# Allegro board balenaFin-PCB.brd (continued)
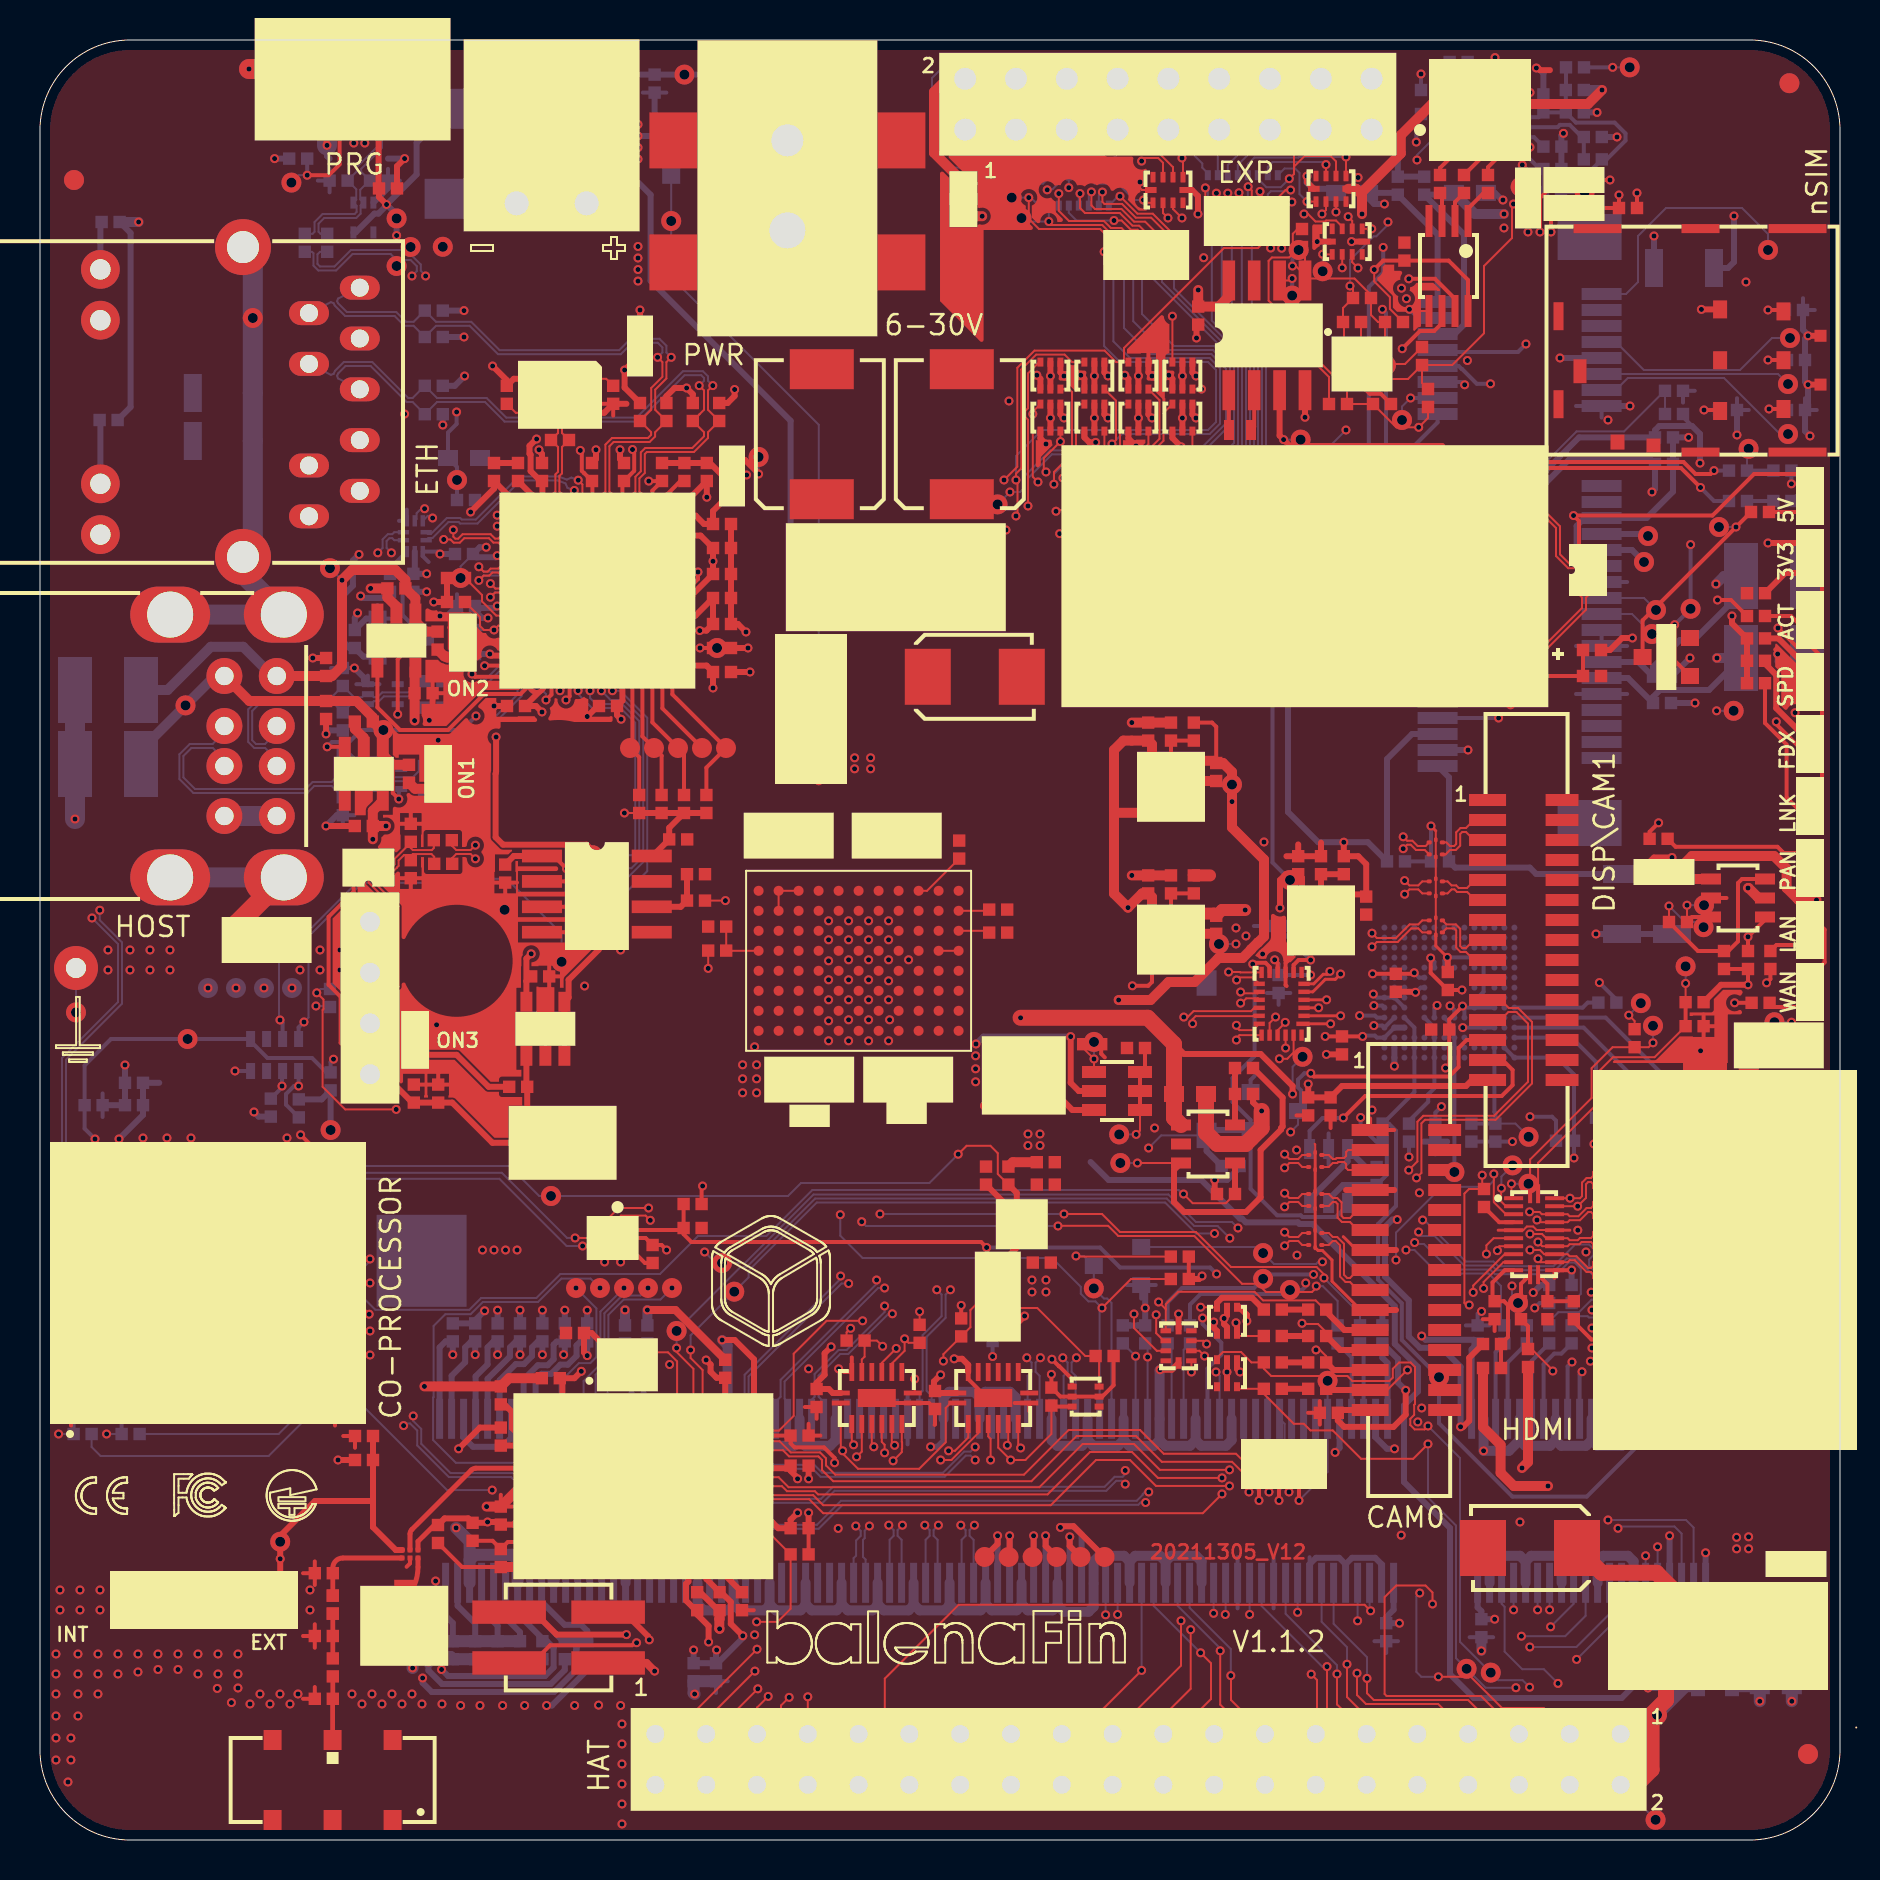
[diagram p0: board, top side]
## Routing (per net, layer and track width the routed paths; a pad name or vN(x,y) marks a point on that pad's centre or on a via; arc(x,y) is an arc through that point) (continued)
N17304746: length 2.6
  TOP w0.2: LD17.1 87.55,61.2 R31.2
N17324040: length 1.4
  TOP w0.1: RR3.9 62.39,81.7 v1(62.59,81.9)
  BOTTOM w0.1: RR2.1 62.43,81.74 v1(62.59,81.9)
N17354151: length 5.7
  TOP w0.2: v1(13.36,83.24) 14.44,83.24 14.98,83.78 J13.4
  BOTTOM w0.1: v2(12.57,82.87) 12.94,83.24 v1(13.36,83.24)
  BOTTOM w0.2: R153.2 v1(13.36,83.24)
N18385522: length 7
  TOP w0.5: J14.2 45.36,88.06 44.7,87.4 44.7,84.36 F2.1
N18386630: length 4.8
  TOP w0.1: RR13.9 57.06,80.21 56.87,80.4 56.56,80.4 55.64,81.31 54.87,81.31 v1(54,82.19)
  BOTTOM w0.1: v1(54,82.19) 53.91,82.19 RR14.1
N18386633: length 5.5
  TOP w0.1: v1(53.12,82.4) 53.12,81.9 53.22,81.8 54.1,81.8 54.79,81.12 55.56,81.12 56.56,80.11 RR13.10
  BOTTOM w0.1: v1(53.12,82.4) 52.94,82.22 RR14.2
N18386636: length 5.7
  TOP w0.1: v1(52.57,82.41) 52.57,81.73 52.75,81.55 54.07,81.55 54.71,80.91 55.26,80.91 56.06,80.11 RR13.11
  BOTTOM w0.1: v1(52.57,82.41) 52.44,82.27 RR14.3
N18386651: length 5.6
  TOP w0.1: RR13.12 55.56,80.11 54.96,80.72 54.62,80.72 53.99,81.35 52.25,81.35 52,81.6 v1(52,82.32)
  BOTTOM w0.1: RR14.4 51.94,82.26 v1(52,82.32)
N18386810: length 4.7
  TOP w0.1: RR13.13 55.06,80.33 54.87,80.52 54.54,80.52 54.08,80.97 v1(53.7,80.97)
  BOTTOM w0.1: RR14.5 51.44,81.36 51.83,80.97 v1(53.7,80.97)
N18386815: length 5.8
  TOP w0.1: v1(50.94,82.32) 50.94,81.46 51.45,80.95 53.19,80.95 53.54,80.6 54.07,80.6 54.56,80.11 RR13.14
  BOTTOM w0.1: RR14.6 v1(50.94,82.32)
N18386822: length 6.5
  TOP w0.1: RR13.15 54.06,80.3 53.96,80.4 53.46,80.4 53.11,80.75 50.54,80.75 50.44,80.85 v1(50.44,80.93)
  BOTTOM w0.1: v2(49.08,81.09) 49.25,80.93 v1(50.44,80.93) RR14.7
N18386825: length 7.1
  TOP w0.1: v1(49.44,82.12) 49.44,81.06 49.95,80.55 53,80.55 53.45,80.1 53.46,80.1 RR13.16
  BOTTOM w0.1: RR14.8 49.54,82.12 v1(49.44,82.12) v2(48.59,82.12)
N18400731: length 1.7
  TOP w0.3: C152.1 48.34,31.73 U20.4
N18401161: length 1.8
  TOP w0.3: R182.1 48.84,29.62 U20.6
N18405003: length 3.9
  BOTTOM w0.2: R1.2 80.22,9.14 R183.2 80.5,10.36 R3.2
  BOTTOM w0.3: R184.2 R183.2
N18406483: length 22.5
  TOP w0.2: 87.17,73.99 87.17,74 v1(86.4,74) ; R187.2 74.4,83.47 v1(74.12,83.75)
  INT2 w0.2: v1(74.12,83.75) 79.05,83.75 81.4,81.4 81.4,75.4 82.8,74 v1(86.4,74)
  BOTTOM w0.2: C154.1 v1(86.4,74)
N18406582: length 16.2
  TOP w0.2: v1(83.2,71.5) 83.95,71.5 J22.7 ; R185.2 R188.1 v1(78.95,82.25)
  INT2 w0.2: v1(83.2,71.5) 78.95,75.75 v1(78.95,82.25)
  BOTTOM w0.2: C156.1 v1(83.2,71.5)
N18406685: length 27.1
  BOTTOM w0.2: v2(62.5,48) 61.62,48.88 61.62,62.62 69.88,70.88 J19.16
N18408710: length 19.3
  TOP w0.2: 87.17,71.55 v1(86.45,71.55) ; R186.2 v1(78.5,83)
  INT2 w0.2: v1(86.45,71.55) 86.08,71.93 83.48,71.93 79.4,76 79.4,82.7 79.1,83 v1(78.5,83)
  BOTTOM w0.2: C155.1 87.3,71.55 v1(86.45,71.55)
N18424363: length 12.5
  INT3 w0.3: 15.99,75.08 19.55,75.08 20.4,74.23 20.4,72.63 20.83,72.2 v1(20.83,71.4)
  BOTTOM w0.2: R200.1 v2(20.85,68) 20.85,68.65 C135.1 20.4,70.37 20.83,70.8 v1(20.83,71.4)
N18431035: length 1.5
  TOP w0.3: R201.1 24.62,67.23 U22.63
N18432576: length 1.7
  TOP w0.2: U22.50 31.12,67.05 32.02,67.95 R202.1
N18433009: length 7
  TOP w0.2: R203.1 v1(33,59.6) ; U22.41 32.58,62.72 32.9,63.05 v1(32.9,63.4)
  INT1 w0.2: v1(33,59.6) 33.5,60.1 33.5,62.8 v1(32.9,63.4)
  BOTTOM w0.1: v2(33.85,59.6) v1(33,59.6)
N18435074: length 7.7
  TOP w0.1: C148.1 23.79,71.36 Y2.3 25.78,71.36 25.9,71.24 25.9,70.35 R204.2 25.9,69.65 25.9,68.41 25.77,68.28 25.77,67.42 25.62,67.27 U22.61
N18435086: length 8.9
  TOP w0.1: C147.1 28.31,73.06 Y2.1 26.98,73.06 26.1,72.18 26.1,70.35 R204.1 26.1,69.65 26.1,68.33 25.97,68.2 25.97,67.42 26.12,67.27 U22.60
N18439563: length 80.7
  TOP w0.2: v1(86.81,55.91) 86.81,55.78 88.5,54.1 LD14.1 ; U22.20 25.57,58.12 25.57,57.27 v1(25.3,57)
  INT1 w0.1: v1(25.3,57) 25.3,57.29 26.05,58.05 30.45,58.05 33.52,54.98 44.11,54.98 48.61,59.48 65.02,59.48 69.37,63.83 85.44,63.83 88.21,61.06 88.21,56.29 87.84,55.91 v1(86.81,55.91)
  BOTTOM w0.1: v2(24.84,57.76) 25.3,57.3 v1(25.3,57)
N18440280: length 4.2
  TOP w0.1: U22.12 22.92,60.72 v1(22.7,60.5) 22.2,60.5 22,60.7 22,61.15 R205.1
  BOTTOM w0.1: C187.2 v1(22.7,60.5)
N18441109: length 3.2
  TOP w0.3: R171.2 R169.1 32.04,46.66 U19.6
N18444316: length 7.4
  TOP w0.2: U22.32 31.62,57.28 TP69.1 33.32,53.62 R206.1
N18444319: length 4.4
  TOP w0.2: TP68.1 31.12,56.58 U22.31
N18444322: length 6.6
  TOP w0.2: R207.1 32.2,54.3 TP67.1 30.62,55.88 U22.30
N18444325: length 6.3
  TOP w0.2: U22.29 30.12,55.18 TP66.1 31.08,54.22 R208.1
N18444328: length 6.2
  TOP w0.2: U22.28 29.62,54.72 TP65.1 29.96,54.14 R209.1
N18447675: length 1.6
  TOP w0.5: R210.1 18.75,52.56 LD15.2
N18448098: length 1.4
  TOP w0.5: LD16.2 20.38,59.12 20.32,59.18 20.22,59.18 R211.1
N18449262: length 3.3
  TOP w0.1: U22.11 22.81,61.22 22.1,61.93 22.1,62.25 R212.1
N18457379: length 2
  TOP w0.2: Y4.2 59.44,70.51 U23.1
N18457384: length 2.1
  TOP w0.2: U23.2 60.71,70.66 Y4.1
N18469944: length 24.1
  TOP w0.3: BAT1.1 73.77,62.67 72.33,61.23 71.17,61.23 70.89,61.5 70.89,68.91 70.1,69.7 62.5,69.7 v1(62.18,70.02) 61.98,70.22 U23.3
  BOTTOM w0.1: v1(62.18,70.02) v2(63.03,70.02)
N18472937: length 2.1
  TOP w0.3: C199.2 34.22,13.27 MOD1.B9
N18475436: length 5.7
  TOP w0.3: 24.1,20.1 23.72,19.72 R219.2 ; 24.1,20.1 25.51,20.1 MOD1.L3 ; 24.1,20.1 23.6,20.6 23.6,21.4 23.22,21.78 R222.2
N18475447: length 4.9
  TOP w0.2: R220.2 22.63,14.96 R221.2 23.39,14.9 25.33,14.9 25.35,14.88 26,14.88 MOD1.L8
N18488781: length 5.1
  TOP w0.24: R224.1 L10.2
  TOP w0.25: U26.1 15.14,14.1 arc(14.79,13.95) 14.64,13.6 L10.2
N18498215: length 13
  BOTTOM w0.2: R235.1 76.29,86.38 76.8,85.87 78.73,85.87 79.28,85.33 79.28,84.97 78.33,84.03 R230.2 78.09,84.03 77.23,83.17 v2(77.23,82.4) R234.2 ; R235.1 C204.1 74.93,86.14 U25.14 ; R235.1 R236.1 76.3,87.51 R233.2
N18498233: length 4.4
  BOTTOM w0.2: R230.1 R229.2 77.09,85.15 76.49,85.76 76,85.76 75.88,85.64 U25.15
N18502868: length 10.5
  INT1 w0.2: v1(74.5,84.64) 74.5,85.7 77.43,88.63 v1(78.63,88.63)
  BOTTOM w0.1: v1(78.63,88.63) v2(79.48,88.63)
  BOTTOM w0.2: R233.1 v1(78.63,88.63) ; R231.2 74.7,85.14 U25.16 74.5,84.8 v1(74.5,84.64)
N18502871: length 4.5
  BOTTOM w0.1: R234.1 74.29,82.4 v2(74.03,82.66)
  BOTTOM w0.2: U25.1 74.15,84.39 74.99,83.55 R232.2 75.17,82.42 R234.1
N18639689: length 11.6
  TOP w0.1: R269.1 v1(81.45,46.7)
  TOP w0.2: R269.1 81.45,45.9 82.9,44.45 R271.1 84.42,44.45 84.9,44.93 84.9,47.85 85.1,48.05 Q16.3
  BOTTOM w0.1: v2(83.18,45.64) 82.92,45.9 82.25,45.9 v1(81.45,46.7)
N18639693: length 3
  TOP w0.1: R269.2 v1(82.35,46.74)
  TOP w0.2: Q16.6 82.6,46.15 R269.2
  BOTTOM w0.1: v1(82.35,46.74) v2(83.2,46.74)
N18652550: length 15.9
  TOP w0.3: 16.65,16.95 16.65,15.64 17.79,14.5 U26.6 ; 16.65,16.95 13.75,16.95 12.01,15.21 v1(12.01,14.06) DSW1.2 ; 16.65,16.95 R240.1 R275.2
  BOTTOM w0.2: v1(12.01,14.06) v2(12.01,14.91)
N18655098: length 9.6
  TOP w0.1: R260.2 52.16,39.59 v1(52.7,39.05) Q15.4 ; v1(47.23,36.71) 47.66,37.15 47.66,37.26
  INT1 w0.1: v1(52.7,39.05) 50.36,36.71 v1(47.23,36.71)
  BOTTOM w0.1: v1(52.7,39.05) v2(52.7,39.9)
N18655160: length 5.4
  TOP w0.1: Q15.1 55,35.47 v1(54.81,35.28)
  TOP w0.2: Q15.1 Q15.2 Q15.3 55.25,38.65 R262.2
  BOTTOM w0.1: v1(54.81,35.28) v2(53.96,35.28)
N18656712: length 2.9
  TOP w0.3: R270.1 R272.1 Q17.3
N18656716: length 17.5
  TOP w0.1: Q17.6 v1(54.87,33.85)
  TOP w0.3: R270.2 62.13,37.12 62.13,35.67 62.06,35.6 62.06,35.53 61.03,34.5 61.03,32.13 60.3,31.4 57.2,31.4 56.7,31.9 56.7,33.5 Q17.6
  BOTTOM w0.1: v1(54.87,33.85) v2(54.02,33.85)
N18660257: length 10.3
  TOP w0.2: Q13.3 80.13,60.98 v1(84.8,65.65) R66.1
  BOTTOM w0.1: v1(84.8,65.65) v2(83.95,65.65)
N18668852: length 40.8
  INT1 w0.2: v1(68.39,66.5) 67.75,66.5 66.65,67.6 65.25,67.6 v1(64.86,67.99)
  INT2 w0.1: v1(68.81,84.9) 68.61,84.9 68.26,84.55 68.26,81.1 67.16,80 v1(67.16,79.63)
  BOTTOM w0.1: R246.1 R247.2 81.23,72.46 79.2,70.43 76.83,70.43 72.9,66.5 J19.20
  BOTTOM w0.2: v1(68.39,66.5) J19.20 ; v1(67.16,79.63) 67.16,78.37 66.44,77.65 v2(66.44,74.58) 66.44,69.57 v1(64.86,67.99) ; v1(68.81,84.9) 68.81,86.06 R249.1
N18784708: length 4.6
  TOP w0.1: MOD1.E1 31.85,21.62 31.85,23.93 31.4,24.39 Y5.3
N19330929: length 4.2
  BOTTOM w0.2: J2.34 73.38,23.87 R11.1
N19330932: length 4
  BOTTOM w0.2: J2.36 72.78,24.39 R12.1
N19357608: length 2.2
  TOP w0.2: 71.1,85.03 71.1,84.7 70,83.6 R123.1
N19378336: length 69.1
  TOP w0.1: v1(13.84,42.36) 14.18,42.02 14.18,41.54 14.13,41.5 14.13,37.66 15.26,36.53 v1(17.81,36.53)
  INT1 w0.1: v1(33.23,29.4) 30.59,32.04 24,32.04 23.23,32.81 19.43,32.81 17.81,34.43 v1(17.81,36.53) ; v1(58.8,23.4) 60.72,25.32 60.72,26.98 59.9,27.8 v1(59.9,30.6)
  BOTTOM w0.1: J2.70 58.98,23.22 v1(58.8,23.4) ; v1(59.9,30.6) 59.6,30.9 57.79,30.9 56.42,32.27 38.67,32.27 35.25,28.85 v2(34.1,28.85) 33.78,28.85 v1(33.23,29.4) ; v1(13.84,42.36) 14.03,42.55 R293.1
N19465405: length 5.4
  TOP w0.3: LD18.2 20.83,39.26 22.43,37.66 R294.1
N19490611: length 2
  TOP w0.2: R119.1 72.4,83.64 72.9,84.14 72.9,85.03
N19490616: length 2.1
  TOP w0.2: 72,85.03 72,84.05 R121.1
N20229851: length 3.2
  BOTTOM w0.3: R308.2 3.02,70.96 J20.13
N20229854: length 2.4
  BOTTOM w0.3: J20.11 3.02,80.84 R307.1
N20266908: length 2.8
  TOP w0.3: R174.1 86.92,60.08 88.35,58.65 LD13.2
N20266937: length 7.8
  TOP w0.2: LD12.2 87.33,52.12 87.33,54.77 86.25,55.85 R175.1
N20266961: length 4.7
  TOP w0.3: R177.1 86.25,58.81 86.81,58.25 86.81,56.59 87.85,55.55 LD14.2
N20267004: length 1.7
  BOTTOM w0.2: U25.9 71.91,88.37 R311.2
N20267170: length 3.8
  TOP w0.2: MOD2.2 v1(2.75,23.78)
  BOTTOM w0.2: v1(2.75,23.78) 2.75,21.77 R312.1
N20267197: length 3.8
  TOP w0.2: MOD2.4 v1(5.15,23.78)
  BOTTOM w0.2: R313.1 5.15,21.77 v1(5.15,23.78)
N20273293: length 5.3
  BOTTOM w0.3: Q20.3 63.48,32.03 65.38,33.93 Q20.6 66.28,33.65 R316.1
N20278857: length 7.7
  TOP w0.1: v1(40.53,25.59) 40.33,25.39 R23.2
  TOP w0.2: R24.1 v1(46.06,26.73)
  INT3 w0.2: v1(40.53,25.59) 40.58,25.54 42.9,25.54 43.23,25.86 43.23,26.27 43.8,26.85 45.94,26.85 v1(46.06,26.73)
N20278874: length 6.3
  TOP w0.1: R25.2 v1(43.98,26.42)
  INT3 w0.2: v1(43.98,26.42) 43.98,26.36 44.39,25.95 47.48,25.95 v1(48.13,26.6)
  BOTTOM w0.2: R26.1 47.63,26.1 v1(48.13,26.6)
N20285008: length 3.6
  TOP w0.2: v1(63.53,44) 62.93,44 62.68,43.75 U31.8
  BOTTOM w0.2: R309.2 62.18,45.35 v1(63.53,44)
N20297788: length 1.3
  TOP w0.3: R81.2 R82.1
N20297820: length 1.3
  TOP w0.3: R83.2 R84.1
N20297852: length 1.3
  TOP w0.3: R85.2 R86.1
N20297874: length 1.3
  TOP w0.3: R87.2 R88.1
N20330182: length 25.5
  TOP w0.2: R146.1 v1(84.73,41.86)
  INT4 w0.2: v1(71.43,57.36) 71.43,56.26 72.33,55.36 73.93,55.36 75.93,53.36 75.93,48.86 80.83,43.96 82.63,43.96 v1(84.73,41.86)
  BOTTOM w0.2: J19.42 71.09,57.7 v1(71.43,57.36)
N20330192: length 2.1
  TOP w0.2: R146.2 86.69,41.65 LD9.1
N20330200: length 25.3
  TOP w0.2: R147.1 86.52,43.05 v1(86.33,42.86)
  INT4 w0.2: v1(73.53,56.76) 77.83,52.46 77.83,48.66 81.43,45.06 84.13,45.06 v1(86.33,42.86)
  BOTTOM w0.2: J19.44 71.09,56.9 71.23,56.76 v1(73.53,56.76)
N20330210: length 2.1
  TOP w0.2: R147.2 86.82,44.75 LD10.1
N20330214: length 15.9
  TOP w0.2: R148.1 80.48,50.41 v1(80.93,50.86)
  INT4 w0.2: v1(72.93,56.1) 72.93,57.06 73.33,57.46 74.33,57.46 v1(80.93,50.86)
  BOTTOM w0.2: J19.46 v1(72.93,56.1)
N20330216: length 7.4
  TOP w0.2: R148.2 81.78,49.66 86.87,49.66 87.18,49.35 LD11.1
N20547834: length 1
  TOP w0.1: U34.B4 U34.A4
N20558805: length 1.6
  TOP w0.1: U34.A3 47.37,45.46 R252.2
N20558987: length 1.6
  TOP w0.1: R264.2 47.4,46.46 U34.A2
N20559359: length 2.7
  TOP w0.1: R263.1 44.35,47.46 U34.C1
N20559557: length 2.8
  TOP w0.1: U34.L4 34.32,44.46 R253.1 R254.2

## Copper pours and planes (outline as drawn; the poured copper is in the pictures)
+1V8 on TOP: 59.51,44.47 59.51,46.92 58.3,46.92 58.3,48.79 60.76,48.79 60.76,44.47
+1V8 on POWER: 25.82,11.09 25.82,24.55 29.04,24.55 29.04,22.72 52.05,22.72 52.05,30.66 55.43,30.66 55.43,46.85 60.71,46.85 60.71,27.18 55.23,27.18 55.23,22.72 55.24,22.72 55.24,19.52 29.04,19.52 29.04,11.09 ; 1 cut-out
+3V3 on TOP: 17.5,30 17.5,25.4 24.3,25.4 24.3,30
+3V3 on TOP: 49.19,26.7 49.19,30.36 49.99,30.36 49.99,28.31 51.2,28.31 51.2,26.7
+3V3 on INT4: 0.5,85.5 1.67,88.33 4.5,89.5 85.5,89.5 88.33,88.33 89.5,85.5 89.5,4.5 88.33,1.67 85.5,0.5 4.5,0.5 1.67,1.67 0.5,4.5 0.5,24.05 4.2,24.05 4.2,31.65 0.5,31.65 ; 48 cut-outs
+3V3 on POWER: 0.7,86.75 2.15,88.74 4.5,89.5 85.5,89.5 88.33,88.33 89.5,85.5 89.5,18.5 74.7,18.5 74.7,11.7 89.5,11.7 89.5,6.8 29.6,6.8 29.6,7.9 10.4,7.9 10.4,9.8 0.5,9.8 0.5,24.05 4.2,24.05 4.2,31.65 0.5,31.65 0.5,75.4 0.7,75.4 ; 23 cut-outs
+3V3_A on POWER: 20.4,60.71 20.4,73.1 35.3,73.1 35.3,65.9 33.2,65.9 33.2,60.71 ; 2 cut-outs
+3V3_ON on TOP: 33.33,43.01 33.33,33.81 38.43,33.81 38.43,43.01
+3V3_ON on TOP: 49.19,31.22 49.19,35.6 50.23,35.6 50.23,31.22
+3V3_ON on BOTTOM: 53.1,66.3 57.4,66.3 57.4,33.8 5.7,33.8 5.7,38.6 7.9,38.6 10.5,36 20.9,36 20.9,40.3 38.23,40.3 38.23,40.31 46.13,40.31 46.13,40.3 53.1,40.3 ; 1 cut-out
+3V3_ON on POWER: 50.73,33.8 39.63,33.8 39.63,35.4 48.33,35.4 48.33,43.6 50.73,43.6
+3V3_ON on POWER: 53.1,65 53.1,69.2 49.7,69.2 49.7,74.6 53.1,74.6 53.1,80.6 46.9,80.6 46.9,81.6 55.7,81.6 55.7,82.7 57.9,82.7 57.9,81.6 67.6,81.6 67.6,78 57.4,78 57.4,65
+5V on TOP: 37.23,55.31 37.23,53.31 42.23,53.31 42.23,55.31
+5V on TOP: 84.6,7.9 84.6,16 87.8,16 87.8,13.1 89.5,13.1 89.5,7.9
+5V on TOP: 46.2,37.66 46.2,40.2 48.2,40.2 48.2,37.66
+5V on INT2: 45.5,37.7 45.5,47.8 38.9,47.8 38.9,52.9 47.4,61.4 47.4,37.7
+5V on POWER: 74.8,11.9 74.8,47.07 44.88,47.07 44.88,47.06 38.98,47.06 38.98,58.73 80.9,58.73 80.9,17.9 89.5,17.9 89.5,11.9
+5V_INT on TOP: 43.38,43.01 43.38,35.71 51.23,35.71 51.23,43.01
GND_DIGITAL on TOP (solid shape): 55.27,69.85 54.19,68.78 54.14,68.83 54.15,68.9 54.15,69.99 54.8,69.99 54.8,70.02 55.27,70.02
GND_DIGITAL on TOP (solid shape): 17.39,53.51 17.44,53.47 17.44,52.66 16.64,52.66 16.64,51.96 16.39,51.71 16.32,51.59 16.29,51.46 16.29,51.24 15.74,51.24 15.74,52.66 15.59,52.66 15.59,53.93 16.72,53.93 16.72,53.96 16.94,53.96
GND_DIGITAL on TOP (solid shape): 86.76,59.76 86.79,59.81 86.85,59.8 87.9,58.75 87.9,58.05 88.9,58.05 88.9,57.75 87.9,57.75 87.9,56.83 87.85,56.78 87.76,56.79 87.54,56.73 87.38,56.56 87.3,56.51 87.22,56.54 87.06,56.7 87.06,58.25 87.04,58.35 86.99,58.43 86.76,58.66 86.76,59.32 86.74,59.39 86.7,59.44 86.66,59.52 86.7,59.6 86.74,59.65 86.76,59.72
GND_DIGITAL on TOP (solid shape): 19.98,58.93 20.07,58.86 20.18,58.83 20.28,58.78 20.38,58.77 20.54,58.77 20.54,58.52 21.09,58.52 21.17,58.48 21.19,58.4 21.18,58.35 21.17,58.3 21.3,58 21.6,57.87 21.73,57.9 21.86,57.96 23.78,57.96 23.78,57.77 23.82,57.66 23.93,57.61 23.94,57.61 23.98,57.58 23.97,57.53 23.95,57.5 22.2,57.5 22.12,57.48 22.06,57.44 20.32,55.7 19.23,55.7 19.15,55.74 19.13,55.83 19.15,55.9 19.16,55.97 19.14,56.1 19.08,56.21 19.08,56.8 20.17,56.8 20.17,57.88 19.27,57.88 19.27,59.01 19.89,59.01
GND_DIGITAL on TOP (solid shape): 61.55,46.2 61.61,46.3 61.72,46.28 61.85,46.2 62,46.17 62.08,46.18 62.16,46.21 62.25,46.2 62.3,46.11 62.3,45 62.32,44.91 62.37,44.82 62.67,44.52 62.67,44.23 62.75,44.23 62.79,44.14 62.53,43.89 62.26,43.89 62.19,43.92 62.16,43.99 62.16,44.01 62.03,44.31 61.73,44.44 61.47,44.34 61.32,44.1 61.31,44.06 60.97,44.06 60.89,44.13 60.81,44.18 60.8,44.19 60.76,44.23 60.8,44.28 60.83,44.31 60.85,44.34 61.09,44.58 61.12,44.6 61.15,44.63 61.45,44.92 61.52,45.04 61.55,45.17
GND_DIGITAL on TOP (solid shape): 85.06,42.51 85.1,42.46 85.13,42.39 85.11,42.32 85.08,42.28 85.02,42.22 84.94,42.23 84.84,42.27 84.73,42.29 84.3,41.86 84.73,41.43 84.84,41.45 84.94,41.49 85.02,41.5 85.08,41.44 85.09,41.43 85.08,41.33 85,41.28 84.39,41.28 84.39,38.85 84.35,38.85 84.35,37.88 82.15,37.88 82.15,38.85 78.7,38.85 78.65,38.88 78.66,38.94 78.71,38.99 80.73,38.99 80.79,39 80.84,39.03 81.98,40.18 82.64,40.18 82.64,40.15 83.72,40.15 83.72,41.23 82.64,41.23 82.64,41.2 82.48,41.2 82.48,41.38 83.54,41.38 83.65,41.42 83.69,41.53 83.69,42.05 84.15,42.51
GND_DIGITAL on TOP (solid shape): 16.28,47.85 16.3,47.81 16.32,47.77 17.58,46.51 17.58,44.18 17.51,44.09 17.4,44.12 17,44.43 16.5,44.54 15.67,44.2 15.33,43.37 15.63,42.59 16.36,42.21 16.38,42.21 16.49,42.1 16.38,41.99 16.36,41.99 15.8,41.77 15.43,41.29 15.31,41.23 15.23,41.33 15.23,42.16 15.21,42.24 15.17,42.3 14.63,42.84 14.63,46.08 15.82,47.27 15.86,47.33 15.88,47.41 15.88,47.82 16.18,47.82 16.18,47.9 16.27,47.9
GND_DIGITAL on TOP (solid shape): 56.02,76.21 56.13,76.23 56.2,76.15 56.27,75.94 56.44,75.8 56.47,75.79 56.47,74.37 56.45,74.34 56.31,74.28 56.27,74.17 56.27,73.62 56.31,73.51 56.42,73.47 56.62,73.47 56.7,73.43 56.72,73.34 56.7,73.27 56.69,73.2 56.7,73.16 56.7,73.12 56.68,73.03 56.6,73 56.24,73 56.24,72.09 56.27,72.09 56.27,71.66 56.21,71.6 56.16,71.59 56.13,71.64 56.13,71.99 56.11,72.05 56.08,72.1 55.77,72.41 55.77,72.82 55.73,72.93 55.62,72.97 55.43,72.97 55.35,73.01 55.33,73.1 55.34,73.15 55.35,73.2 55.34,73.26 55.33,73.31 55.35,73.4 55.43,73.44 55.8,73.44 55.8,74.35 55.04,74.35 55.04,74.32 54.35,74.32 54.35,74.54
GND_DIGITAL on TOP (solid shape): 27.28,57.1 27.38,57.06 27.41,57.05 27.41,56.16 28.49,56.16 28.49,56.19 28.6,56.19 28.64,56.11 28.63,56.08 28.63,56.01 28.6,55.93 28.53,55.9 26.7,55.9 26.69,55.9 26.31,55.98 25.93,56 25.73,55.99 25.53,55.97 25.43,56.02 25.43,56.14 25.5,56.26 25.53,56.4 25.52,56.49 25.49,56.57 25.49,56.6 25.51,56.63 25.67,56.79 25.73,57 25.72,57.04 25.75,57.09 25.8,57.09 25.84,57.07 25.88,57.06 25.87,57 26,56.7 26.3,56.57 26.59,56.69 26.72,56.96 26.76,57.03 26.84,57.05 26.91,57.05 27.06,57.08 27.2,57.16
GND_DIGITAL on TOP (solid shape): 19.27,61.48 19.33,61.57 19.43,61.56 19.55,61.5 19.69,61.47 19.75,61.48 19.8,61.49 19.83,61.49 19.86,61.47 19.91,61.41 19.99,61.39 21.55,61.39 21.6,61.33 21.61,61.28 21.57,61.25 20.51,61.25 20.51,59.99 21.77,59.99 21.77,60.66 21.85,60.66 21.88,60.61 21.89,60.59 22.09,60.39 22.14,60.36 22.2,60.35 22.3,60.35 22.31,60.32 22.47,60.14 22.7,60.07 22.79,60.08 22.87,60.11 22.97,60.1 23.01,60.02 23.01,59.47 22.88,59.47 22.72,59.66 22.49,59.73 22.19,59.6 22.06,59.3 22.07,59.23 22.09,59.17 22.09,59.13 22.06,59.1 21.98,59.06 21.92,59 21.81,58.98 21.74,59.07 21.74,59.72 20.54,59.72 20.54,59.49 20.48,59.49 20.39,59.52 20.39,60.93 19.27,60.93
GND_DIGITAL on TOP (solid shape): 67.71,78.46 68,78.46 68.1,78.41 68.09,78.3 68.03,78.19 68.01,78.06 68.02,78.01 67.75,77.87 67.65,77.59 67.72,77.35 67.92,77.19 67.9,77.13 67.9,77.06 68.32,76.64 68.75,77.06 68.67,77.3 68.48,77.46 68.5,77.52 68.5,77.59 68.5,77.64 68.68,77.71 68.82,77.86 69.67,77.86 69.99,77.54 70,77.48 69.95,77.45 69.85,77.45 69.85,77.48 69.05,77.48 69.05,75.7 69.03,75.67 69,75.65 68.92,75.63 68.86,75.59 68.71,75.45 68.66,75.5 68.66,75.54 68.66,76.26 68.62,76.37 68.51,76.41 67.85,76.41 67.65,76.62 67.65,77.15 67.63,77.2 67.6,77.25 66.86,77.99 66.86,78.12 66.89,78.14 67.07,78.29 67.14,78.52 67.13,78.57 67.12,78.65 67.24,78.77 67.71,78.77
GND_DIGITAL on TOP (solid shape): 50,85.13 50.02,85.14 50.04,85.15 50.07,85.16 50.1,85.15 50.12,85.14 50.14,85.13 50.18,85.04 50.23,84.95 50.28,84.86 50.33,84.78 50.4,84.7 50.47,84.62 50.54,84.56 50.62,84.49 50.71,84.44 50.8,84.39 50.89,84.35 50.99,84.32 51.09,84.3 51.19,84.28 51.29,84.27 51.39,84.27 51.49,84.28 51.59,84.29 51.69,84.32 51.78,84.35 51.87,84.39 51.96,84.44 52.05,84.49 52.13,84.55 52.2,84.62 52.27,84.69 52.34,84.76 52.39,84.85 52.45,84.92 52.47,84.93 52.49,84.94 52.52,84.94 52.55,84.93 52.58,84.91 53.28,84.21 53.29,84.2 53.33,84.18 53.36,84.17 53.38,84.17 54.57,84.17 54.58,84.17 54.61,84.16 54.64,84.14 54.66,84.12 54.67,84.09 54.67,84.06 54.66,84.02 54.66,83.97 54.66,83.91 54.66,83.85 54.68,83.8 54.71,83.74 54.74,83.69 54.78,83.64 54.82,83.6 54.88,83.57 54.93,83.55 54.99,83.53 55.05,83.52 55.11,83.52 55.17,83.53 55.23,83.55 55.29,83.57 55.31,83.56 55.32,83.55 55.33,83.53 55.32,83.46 55.32,82.88 55.02,82.88 55.02,82.4 54.97,82.37 54.92,82.34 54.87,82.3 54.83,82.25 54.8,82.2 54.77,82.15 54.76,82.09 54.75,82.03 54.75,81.97 54.76,81.91 54.77,81.85 54.8,81.8 54.83,81.74 54.87,81.7 54.92,81.66 54.97,81.63 55.02,81.6 55.08,81.58 55.14,81.58 55.3,81.58 55.31,81.57 55.33,81.47 54.94,81.47 54.39,82.01 54.41,82.07 54.42,82.11 54.42,82.16 54.42,82.22 54.42,82.28 54.4,82.34 54.37,82.39 54.34,82.44 54.3,82.49 54.26,82.53 54.2,82.56 54.15,82.59 54.09,82.6 54.03,82.61 53.97,82.61 53.92,82.61 53.86,82.59 53.81,82.57 53.76,82.54 53.72,82.51 53.69,82.48 53.66,82.46 53.63,82.45 53.6,82.46 53.57,82.47 53.55,82.49 53.53,82.51 53.52,82.55 53.49,82.61 53.46,82.66 53.42,82.7 53.37,82.74 53.32,82.77 53.27,82.8 53.21,82.81 53.15,82.82 53.09,82.82 53.03,82.82 52.98,82.8 52.92,82.78 52.87,82.74 52.85,82.73 52.83,82.75 52.78,82.78 52.72,82.8 52.66,82.82 52.6,82.83 52.54,82.83 52.48,82.82 52.42,82.8 52.36,82.77 52.31,82.74 52.26,82.7 52.24,82.67 52.21,82.69 52.16,82.72 52.1,82.74 52.03,82.75 51.97,82.75 51.92,82.74 51.87,82.74 51.85,82.74 51.83,82.79 51.8,82.84 51.77,82.89 51.73,82.93 51.68,82.97 51.63,83 51.58,83.02 51.53,83.04 51.47,83.04 51.41,83.04 51.35,83.03 51.29,83.02 51.24,82.99 51.18,82.96 51.14,82.92 51.1,82.87 51.07,82.82 51.04,82.77 51.03,82.74 51.01,82.74 50.96,82.75 50.91,82.75 50.86,82.74 50.81,82.73 50.77,82.71 50.75,82.71 50.73,82.73 50.7,82.76 50.66,82.81 50.62,82.85 50.57,82.88 50.51,82.91 50.45,82.92 50.39,82.93 50.33,82.93 50.27,82.92 50.22,82.91 50.16,82.89 50.11,82.86 50.07,82.82 50.03,82.78 50,82.73 49.97,82.68 49.95,82.62 49.94,82.57 49.93,82.51 49.94,82.45 49.95,82.39 49.97,82.34 50,82.29 50.03,82.24 50.07,82.2 50.11,82.16 50.16,82.13 50.22,82.11 50.27,82.09 50.33,82.08 50.39,82.08 50.44,82.09 50.49,82.1 50.53,82.12 50.55,82.12 50.57,82.1 50.6,82.07 50.64,82.02 50.68,81.98 50.73,81.95 50.79,81.92 50.79,81.46 50.79,81.44 50.8,81.4 50.82,81.37 50.83,81.35 51.11,81.07 51.12,81.06 51.14,81.04 51.14,81.01 51.14,80.98 51.13,80.95 51.11,80.93 51.08,80.91 51.06,80.9 50.87,80.9 50.86,80.98 50.85,81.04 50.83,81.09 50.81,81.14 50.77,81.19 50.73,81.23 50.69,81.27 50.64,81.3 50.58,81.33 50.53,81.34 50.47,81.35 50.41,81.35 50.35,81.34 50.29,81.33 50.24,81.3 50.19,81.27 50.14,81.23 50.1,81.19 50.07,81.14 50.05,81.08 50.03,81.03 50.02,80.97 50.01,80.93 50,80.9 49.99,80.87 49.96,80.85 49.94,80.84 49.91,80.84 49.88,80.85 49.85,80.86 49.84,80.87 49.59,81.12 49.59,81.72 49.64,81.75 49.7,81.78 49.74,81.82 49.78,81.87 49.81,81.92 49.84,81.97 49.85,82.03 49.86,82.09 49.86,82.15 49.85,82.21 49.84,82.26 49.82,82.32 49.79,82.37 49.75,82.41 49.71,82.45 49.66,82.48 49.61,82.51 49.55,82.53 49.5,82.54 49.44,82.55 49.38,82.54 49.32,82.53 49.27,82.51 49.22,82.48 49.17,82.45 49.13,82.41 49.09,82.37 49.06,82.32 49.04,82.26 49.02,82.21 49.01,82.15 49.01,82.09 49.02,82.03 49.04,81.97 49.06,81.92 49.1,81.87 49.14,81.82 49.18,81.78 49.23,81.75 49.29,81.72 49.29,81.06 49.29,81.04 49.3,81 49.32,80.97 49.33,80.96 49.61,80.67 49.62,80.66 49.64,80.64 49.64,80.61 49.64,80.58 49.63,80.55 49.61,80.53 49.58,80.51 49.56,80.5 49.54,80.5 47.18,80.5 47.18,75.01 47.18,74.99 47.17,74.96 47.15,74.94 47.13,74.92 47.1,74.91 47.07,74.91 47.04,74.91 47.02,74.93 47.01,74.94 45,76.94 45,80.64 46.87,80.64 46.88,80.72 46.89,80.74 46.91,80.76 46.93,80.78 46.96,80.78 47.03,80.77 47.08,80.77 47.14,80.77 47.2,80.77 47.25,80.79 47.31,80.81 47.36,80.84 47.4,80.88 47.44,80.92 47.47,80.97 47.5,81.02 47.52,81.08 47.53,81.13 47.54,81.19 47.53,81.25 47.52,81.3 47.5,81.36 47.47,81.41 47.44,81.46 47.4,81.5 47.36,81.54 47.31,81.57 47.25,81.59 47.2,81.61 47.14,81.61 47.08,81.61 47.03,81.61 46.96,81.6 46.93,81.6 46.91,81.62 46.89,81.64 46.88,81.66 46.87,81.74 45.47,81.74 45.47,80.64 45,80.64 45,83.32 45,83.33 45.01,83.36 45.03,83.39 45.05,83.41 45.08,83.42 45.11,83.42 45.14,83.41 45.16,83.4 45.17,83.39 45.47,83.09 45.47,82.34 46.87,82.34 46.87,83.44 46.12,83.44 45.46,84.1 45.45,84.11 45.44,84.13 45.43,84.16 45.43,84.19 45.44,84.22 45.46,84.24 45.49,84.26 45.52,84.27 45.53,84.27 47.51,84.27 47.51,84.87 47.51,84.89 47.52,84.92 47.54,84.94 47.56,84.96 47.59,84.97 47.62,84.98 47.65,84.97 47.67,84.96 47.69,84.94 47.73,84.88 47.78,84.79 47.85,84.71 47.92,84.63 47.99,84.56 48.07,84.5 48.16,84.44 48.25,84.4 48.35,84.35 48.44,84.32 48.54,84.3 48.65,84.28 48.75,84.27 48.85,84.27 48.95,84.28 49.05,84.3 49.15,84.32 49.25,84.35 49.34,84.39 49.43,84.44 49.52,84.49 49.6,84.56 49.67,84.62 49.74,84.7 49.81,84.78 49.86,84.86 49.91,84.95 49.96,85.04
GND_DIGITAL on TOP (solid shape): 22.81,56.16 23.89,56.16 23.89,56.19 24.73,56.19 24.75,56.16 24.79,56.1 24.85,56.05 24.85,56.02 24.86,55.99 24.85,55.97 24.84,55.94 24.82,55.92 24.79,55.91 24.75,55.9 23.03,55.9 23.03,55.66 23.03,55.65 23.02,55.62 23,55.59 22.98,55.57 22.95,55.56 22.92,55.56 22.88,55.57 22.83,55.57 22.77,55.57 22.71,55.57 22.66,55.55 22.6,55.52 22.55,55.49 22.5,55.45 22.46,55.41 22.43,55.35 22.41,55.3 22.39,55.24 22.38,55.18 22.38,55.12 22.39,55.06 22.4,55.01 22.43,54.96 22.45,54.91 22.49,54.86 22.53,54.82 22.55,54.81 22.55,53.46 22.53,53.31 22.53,50.14 22.53,50.11 22.54,50.06 22.56,50.02 22.59,49.98 22.6,49.96 22.97,49.59 22.99,49.57 23.03,49.55 23.08,49.53 23.13,49.52 23.15,49.52 23.6,49.52 23.6,49.44 23.42,49.28 22.75,49.28 22.75,48.41 22.72,48.41 22.72,47.33 23.8,47.33 23.8,48.41 23.77,48.41 23.77,48.93 23.79,48.95 23.9,48.95 23.9,48.68 25.8,48.68 25.84,48.67 25.87,48.66 25.89,48.64 25.9,48.62 25.9,48.51 25.88,48.49 25.87,48.47 25.84,48.46 25.8,48.45 23.9,48.45 23.9,47.41 26.3,47.41 26.3,47.73 26.73,47.73 26.75,47.73 26.79,47.74 26.82,47.75 26.86,47.77 26.87,47.79 27.07,47.99 27.09,48 27.11,48.04 27.12,48.07 27.13,48.11 27.13,48.32 27.16,48.34 27.2,48.37 27.24,48.41 27.28,48.46 27.31,48.51 27.33,48.56 27.35,48.61 27.35,48.67 27.35,48.73 27.35,48.79 27.33,48.85 27.3,48.9 27.27,48.96 27.23,49 27.19,49.04 27.13,49.07 27.08,49.1 27.02,49.12 26.96,49.12 26.9,49.12 26.85,49.12 26.79,49.1 26.74,49.08 26.69,49.05 26.65,49.02 26.61,48.98 26.57,48.94 26.55,48.93 26.5,48.95 26.44,48.97 26.38,48.98 26.32,48.99 26.31,49.01 26.3,49.04 26.3,49.52 27.23,49.52 27.68,49.06 27.68,44.61 26.25,43.19 26.24,43.17 26.21,43.13 26.19,43.08 26.18,43.03 26.18,43.01 26.18,42.61 26,42.61 26,43.72 24.92,43.72 24.92,43.69 24.57,43.69 24.57,43.88 24.64,43.89 24.7,43.91 24.75,43.93 24.8,43.96 24.84,43.99 24.88,44.03 24.91,44.07 24.94,44.12 24.96,44.17 24.98,44.23 24.98,44.28 24.98,44.34 24.98,44.4 24.96,44.45 24.94,44.51 24.91,44.56 24.87,44.6 24.83,44.64 24.78,44.67 24.73,44.7 24.67,44.72 24.62,44.73 24.56,44.74 24.5,44.73 24.45,44.72 24.39,44.7 24.34,44.67 24.29,44.64 24.25,44.6 24.21,44.56 24.18,44.51 24.16,44.45 24.14,44.4 24.14,44.34 24.14,44.24 24.12,44.23 24.1,44.19 24.08,44.14 24.07,44.09 24.07,44.07 24.07,43.69 24.05,43.69 24.05,42.61 23.82,42.61 23.82,41.21 24.82,41.21 24.82,42.67 24.92,42.67 24.92,42.64 25.72,42.64 25.72,41.21 25.97,41.21 25.97,39.91 25.8,39.91 25.8,39.94 24.74,39.94 24.74,39.91 23.82,39.91 23.82,38.51 24.07,38.51 24.07,38.17 23.1,38.17 23.08,38.17 23.05,38.16 23.02,38.15 22.99,38.13 22.97,38.1 22.96,38.07 22.95,38.04 22.95,37.91 22.53,37.91 21.01,39.44 20.99,39.45 20.95,39.48 20.9,39.5 20.85,39.51 20.83,39.51 19.36,39.51 19.36,39.86 18.16,39.86 18.16,38.66 19.36,38.66 19.36,39.01 20.73,39.01 22.25,37.48 22.27,37.47 22.31,37.44 22.36,37.42 22.41,37.41 22.43,37.41 22.95,37.41 22.95,37.28 22.96,37.25 22.97,37.22 22.99,37.19 23.02,37.17 23.05,37.16 23.08,37.15 23.1,37.15 24.11,37.15 24.11,36.71 23.43,36.71 23.43,35.11 22.72,35.11 20.79,37.05 20.77,37.06 20.73,37.09 20.68,37.11 20.63,37.12 20.61,37.12 20.42,37.12 20.42,37.23 20.45,37.23 20.45,38.31 19.37,38.31 19.37,37.23 19.4,37.23 19.4,37.12 19.2,37.12 19.2,37.23 19.23,37.23 19.23,38.31 18.15,38.31 18.15,37.93 18.15,37.92 18.14,37.89 18.13,37.86 18.1,37.85 18.08,37.83 18.05,37.83 18.02,37.84 17.99,37.85 17.98,37.86 17.67,38.17 17.67,39.46 15.71,39.46 15.23,39.94 15.23,40.33 15.24,40.37 15.25,40.39 15.27,40.41 15.3,40.42 15.33,40.43 15.35,40.43 15.38,40.42 15.4,40.4 15.45,40.32 15.49,40.24 15.54,40.15 15.6,40.08 15.67,40.01 15.74,39.94 15.82,39.88 15.9,39.83 15.98,39.78 16.07,39.74 16.16,39.71 16.26,39.68 16.35,39.67 16.45,39.66 16.55,39.66 16.64,39.67 16.74,39.68 16.83,39.71 16.93,39.74 17.01,39.78 17.1,39.82 17.18,39.88 17.26,39.94 17.33,40 17.39,40.07 17.44,40.13 19.39,40.13 19.39,41.39 18.13,41.39 18.13,40.13 17.44,40.13 17.45,40.15 17.51,40.23 17.55,40.32 17.59,40.4 17.62,40.5 17.65,40.59 17.66,40.69 17.67,40.78 17.67,40.88 17.66,40.98 17.65,41.07 17.62,41.17 17.59,41.26 17.55,41.35 17.5,41.43 17.45,41.51 17.39,41.59 17.32,41.66 17.25,41.73 17.19,41.77 17.19,41.85 17.29,41.85 17.33,41.86 17.36,41.88 17.38,41.89 18.04,42.55 18.05,42.57 18.07,42.6 18.08,42.64 18.09,42.81 18.1,42.84 18.12,42.86 18.15,42.87 18.17,42.87 18.2,42.87 18.23,42.86 18.25,42.85 18.31,42.74 18.38,42.61 18.46,42.48 18.54,42.35 18.63,42.23 18.73,42.11 18.83,42 18.94,41.89 19.06,41.79 19.18,41.7 19.31,41.61 19.44,41.53 19.57,41.46 19.71,41.39 19.85,41.33 20,41.29 20.15,41.24 20.3,41.21 20.45,41.19 20.6,41.17 20.75,41.16 20.9,41.16 21.05,41.17 21.2,41.18 21.35,41.21 21.49,41.24 21.64,41.28 21.78,41.33 21.92,41.38 22.05,41.44 22.19,41.51 22.32,41.59 22.44,41.67 22.56,41.76 22.67,41.85 22.78,41.95 22.89,42.06 22.99,42.17 23.08,42.29 23.16,42.41 23.24,42.54 23.32,42.67 23.38,42.8 23.44,42.94 23.49,43.08 23.53,43.22 23.57,43.37 23.6,43.51 23.61,43.66 23.63,43.81 23.63,43.96 23.63,44.11 23.61,44.26 23.6,44.41 23.57,44.55 23.53,44.7 23.49,44.84 23.48,44.87 26.3,44.87 26.31,44.91 26.33,44.93 26.35,44.95 26.37,44.96 26.48,44.97 26.54,44.97 26.6,44.99 26.65,45.01 26.7,45.04 26.74,45.08 26.78,45.12 26.82,45.17 26.84,45.22 26.86,45.28 26.88,45.33 26.88,45.39 26.88,45.45 26.86,45.5 26.84,45.56 26.82,45.61 26.78,45.66 26.74,45.7 26.7,45.74 26.65,45.77 26.6,45.79 26.54,45.81 26.48,45.81 26.37,45.82 26.35,45.83 26.33,45.85 26.31,45.87 26.3,45.91 23.9,45.91 23.9,44.87 23.48,44.87 23.44,44.98 23.38,45.12 23.32,45.25 23.24,45.38 23.16,45.51 23.08,45.63 22.99,45.75 22.89,45.86 22.78,45.97 22.67,46.07 22.58,46.14 26.3,46.14 26.31,46.18 26.33,46.2 26.35,46.22 26.37,46.23 26.48,46.24 26.54,46.24 26.6,46.26 26.65,46.28 26.7,46.31 26.74,46.35 26.78,46.39 26.82,46.44 26.84,46.49 26.86,46.55 26.88,46.6 26.88,46.66 26.88,46.72 26.86,46.77 26.84,46.83 26.82,46.88 26.78,46.93 26.74,46.97 26.7,47.01 26.65,47.04 26.6,47.06 26.54,47.08 26.48,47.08 26.37,47.09 26.35,47.1 26.33,47.12 26.31,47.14 26.3,47.18 23.9,47.18 23.9,46.14 22.58,46.14 22.56,46.16 22.44,46.25 22.32,46.33 22.19,46.41 22.05,46.48 21.92,46.54 21.78,46.59 21.64,46.64 21.49,46.68 21.35,46.71 21.2,46.74 21.05,46.75 20.9,46.76 20.75,46.76 20.6,46.75 20.45,46.73 20.3,46.71 20.15,46.68 20,46.63 19.85,46.59 19.71,46.53 19.57,46.46 19.44,46.39 19.31,46.31 19.18,46.22 19.06,46.13 18.94,46.03 18.83,45.92 18.73,45.81 18.63,45.69 18.54,45.57 18.46,45.44 18.38,45.31 18.31,45.18 18.25,45.07 18.23,45.06 18.2,45.05 18.17,45.05 18.15,45.05 18.12,45.06 18.1,45.08 18.09,45.11 18.08,45.15 18.08,46.66 18.08,46.68 18.07,46.72 18.05,46.75 18.04,46.77 17.16,47.65 17.15,47.66 17.13,47.68 17.13,47.71 17.13,47.74 17.14,47.77 17.16,47.79 17.19,47.81 17.21,47.82 17.23,47.82 17.67,47.82 17.67,48.23 17.83,48.39 17.84,48.4 17.87,48.41 17.9,48.42 17.93,48.42 17.95,48.41 17.98,48.39 17.99,48.36 18,48.33 18,48.32 18,47.55 19.08,47.55 19.08,48.63 19.05,48.63 19.05,49.15 19.2,49.15 19.2,48.45 19.2,48.43 19.21,48.4 19.22,48.37 19.24,48.34 19.27,48.32 19.3,48.31 19.33,48.3 19.35,48.3 20.97,48.3 20.99,48.3 21.02,48.31 21.05,48.32 21.08,48.34 21.1,48.37 21.11,48.4 21.12,48.43 21.12,48.45 21.12,49.15 21.28,49.14 21.3,49.13 21.32,49.11 21.34,49.09 21.35,49.02 21.36,48.96 21.37,48.9 21.4,48.85 21.43,48.8 21.47,48.76 21.52,48.72 21.57,48.68 21.62,48.66 21.68,48.64 21.74,48.63 21.8,48.63 21.86,48.64 21.92,48.66 21.97,48.69 22.03,48.72 22.07,48.76 22.11,48.8 22.14,48.86 22.17,48.91 22.19,48.97 22.2,49.03 22.2,49.09 22.19,49.15 22.17,49.21 22.15,49.26 22.11,49.31 22.09,49.35 22.07,49.37 22.07,49.4 22.07,49.43 22.09,49.45 22.11,49.49 22.15,49.54 22.17,49.59 22.19,49.65 22.2,49.71 22.2,49.77 22.19,49.83 22.17,49.89 22.14,49.94 22.11,50 22.07,50.04 22.03,50.08 21.97,50.11 21.92,50.14 21.86,50.16 21.8,50.17 21.74,50.17 21.68,50.16 21.62,50.14 21.57,50.12 21.52,50.08 21.47,50.04 21.43,50 21.4,49.95 21.37,49.9 21.36,49.84 21.35,49.78 21.34,49.71 21.32,49.69 21.31,49.67 21.28,49.66 21.1,49.65 21.1,50.35 21.1,50.37 21.09,50.4 21.08,50.43 21.06,50.46 21.03,50.48 21,50.49 20.97,50.5 20.95,50.5 19.33,50.5 19.31,50.5 19.28,50.49 19.25,50.48 19.22,50.46 19.2,50.43 19.19,50.4 19.18,50.37 19.18,50.35 19.18,49.65 19.05,49.65 19.05,50.27 19.08,50.27 19.08,51.35 18,51.35 18,50.27 18.03,50.27 18.03,49.57 17.87,49.41 17.86,49.4 17.83,49.39 17.8,49.38 17.77,49.39 17.75,49.4 17.72,49.42 17.71,49.44 17.7,49.47 17.7,49.55 17,49.55 16.96,49.55 16.93,49.57 16.91,49.59 16.9,49.61 16.89,49.64 16.89,49.67 16.9,49.69 16.95,49.74 16.99,49.79 17.02,49.84 17.04,49.89 17.06,49.95 17.06,50.01 17.06,50.09 17.07,50.12 17.08,50.15 17.11,50.17 17.14,50.19 17.15,50.19 17.15,50.2 17.17,50.23 17.19,50.26 17.22,50.27 17.25,50.28 17.33,50.28 17.39,50.28 17.44,50.3 17.5,50.32 17.55,50.35 17.59,50.39 17.63,50.43 17.67,50.48 17.69,50.53 17.71,50.59 17.72,50.64 17.73,50.7 17.72,50.76 17.71,50.81 17.69,50.87 17.67,50.92 17.63,50.97 17.59,51.01 17.55,51.05 17.5,51.08 17.44,51.1 17.39,51.12 17.33,51.12 17.15,51.11 17.15,51.26 17.64,51.26 17.64,51.56 17.65,51.6 17.66,51.63 17.68,51.64 17.71,51.66 17.74,51.66 17.81,51.64 17.86,51.63 17.91,51.62 17.97,51.62 18.03,51.63 18.09,51.65 18.14,51.67 18.2,51.71 18.24,51.75 18.28,51.79 18.31,51.84 18.34,51.9 18.36,51.96 18.36,52.02 18.36,52.08 18.36,52.13 18.34,52.18 18.33,52.25 18.33,52.28 18.34,52.3 18.36,52.33 18.39,52.34 18.41,52.35 18.46,52.35 18.52,52.29 18.57,52.26 18.62,52.24 18.67,52.22 18.72,52.21 18.75,52.21 19.31,52.21 19.31,51.96 20.51,51.96 20.51,53.16 19.31,53.16 19.31,52.91 18.96,52.91 18.96,53.43 20.54,53.43 20.54,54.69 19.28,54.69 19.28,53.43 18.96,53.43 18.96,54.27 17.94,54.27 17.94,54.11 17.79,54.11 17.64,54.26 17.64,55.36 17.49,55.36 17.49,55.45 17.48,55.5 17.46,55.55 17.44,55.6 17.41,55.65 17.39,55.67 17.15,55.91 17.16,55.97 17.17,55.99 17.19,55.99 17.21,55.99 17.24,55.98 17.86,55.36 17.87,55.34 17.91,55.32 17.94,55.31 17.98,55.3 18,55.3 20.4,55.3 20.42,55.3 20.46,55.31 20.49,55.32 20.53,55.34 20.54,55.36 21.24,56.06 21.28,56.09 21.31,56.09 21.34,56.09 21.36,56.08 21.39,56.06 21.42,56 21.46,55.95 21.5,55.9 21.54,55.86 21.59,55.83 21.65,55.8 21.71,55.78 21.77,55.78 21.83,55.78 21.89,55.78 21.95,55.8 22,55.83 22.06,55.86 22.1,55.9 22.14,55.94 22.17,56 22.2,56.05 22.22,56.11 22.22,56.17 22.22,56.23 22.22,56.29 22.2,56.35 22.17,56.41 22.14,56.46 22.1,56.5 22.05,56.54 22,56.58 21.94,56.61 21.92,56.64 21.91,56.66 21.91,56.69 21.91,56.72 21.94,56.76 22.28,57.1 22.81,57.1
GND_DIGITAL on TOP: 0.5,85.5 1.67,88.33 4.5,89.5 85.5,89.5 88.33,88.33 89.5,85.5 89.5,4.5 88.33,1.67 85.5,0.5 4.5,0.5 1.67,1.67 0.5,4.5 0.5,24.05 4.2,24.05 4.2,31.65 0.5,31.65
GND_DIGITAL on GND: 0.5,85.5 1.67,88.33 4.5,89.5 85.5,89.5 88.33,88.33 89.5,85.5 89.5,4.5 88.33,1.67 85.5,0.5 4.5,0.5 1.67,1.67 0.5,4.5 0.5,24.05 4.2,24.05 4.2,31.65 0.5,31.65 ; 23 cut-outs
GND_DIGITAL on INT1: 0.5,85.5 1.67,88.33 4.5,89.5 85.5,89.5 88.33,88.33 89.5,85.5 89.5,4.5 88.33,1.67 85.5,0.5 4.5,0.5 1.67,1.67 0.5,4.5 0.5,24.05 4.2,24.05 4.2,31.65 0.5,31.65 ; 39 cut-outs
GND_DIGITAL on INT2: 4.5,0.5 1.67,1.67 0.5,4.5 0.5,24.05 4.2,24.05 4.2,31.65 0.5,31.65 0.5,85.5 1.67,88.33 4.5,89.5 85.5,89.5 88.33,88.33 89.5,85.5 89.5,4.5 88.33,1.67 85.5,0.5 ; 48 cut-outs
GND_DIGITAL on INT3: 0.5,85.5 1.67,88.33 4.5,89.5 85.5,89.5 88.33,88.33 89.5,85.5 89.5,4.5 88.33,1.67 85.5,0.5 4.5,0.5 1.67,1.67 0.5,4.5 0.5,24.05 4.2,24.05 4.2,31.65 0.5,31.65 ; 25 cut-outs
GND_DIGITAL on INT4, POWER: 4.5,0.5 1.67,1.67 0.5,4.5 0.5,9.7 10.3,9.7 10.3,7.8 29.5,7.8 29.5,0.5
VIN_CON on TOP: 35.7,72 33.1,74.6 33.1,80.5 26,80.5 26,83.1 36,83.1 36,78.6 40,74.6 40.7,74.6 40.7,72
VIN_JACK on TOP: 44.2,72.3 43,73.5 43,75 41.6,76.4 41.6,86.7 44.9,86.7 44.9,76.9 47.1,74.7 47.9,74.7 47.9,72.3
(no net) on BOTTOM: 0.5,85.5 1.67,88.33 4.5,89.5 85.5,89.5 88.33,88.33 89.5,85.5 89.5,4.5 88.33,1.67 85.5,0.5 4.5,0.5 1.67,1.67 0.5,4.5 0.5,24.05 4.2,24.05 4.2,31.65 0.5,31.65 ; 154 cut-outs
+VALIM on TOP: 43.48,46.91 43.48,51.81 46.83,55.16 46.83,60.21 48.58,60.21 48.58,65.36 42.13,65.36 42.03,65.26 42.03,57.56 40.08,57.56 40.08,53.11 40.03,53.06 37.58,53.06 37.58,46.91
N17069111 on TOP: 37.1,57.7 37.1,68.3 47.7,68.3 47.7,65.5 42,65.5 42,57.7
GND_DIGITAL on TOP (solid shape): 50.49,70.02 50.56,69.99 50.59,69.92 50.6,69.85 50.62,69.77 50.63,69.74 50.08,69.2 50.05,69.15 50.04,69.09 50.04,68.74 50,68.7 49.97,68.67 49.86,68.64 49.79,68.73 49.79,69.99 50.4,69.99 50.4,70.02
GND_DIGITAL on TOP (solid shape): 51.4,73.77 51.43,73.82 51.48,73.81 51.5,73.79 51.55,73.76 51.61,73.74 51.87,73.74 51.87,73.62 51.91,73.51 52.02,73.47 52.22,73.47 52.3,73.43 52.32,73.34 52.3,73.27 52.29,73.2 52.3,73.16 52.3,73.12 52.28,73.03 52.2,73 51.84,73 51.84,72.41 51.75,72.41 51.74,72.45 51.73,72.48 51.71,72.51 51.56,72.65 51.51,72.68 51.46,72.7 51.37,72.7 51.37,72.82 51.33,72.93 51.22,72.97 51.03,72.97 50.95,73.01 50.93,73.1 50.94,73.15 50.95,73.2 50.94,73.26 50.93,73.31 50.95,73.4 51.03,73.44 51.4,73.44

Small or netless copper shapes (teardrops, artwork), in the pictures only: 1 on TOP

## Text on the board
Ref Des/Silkscreen Bottom: DISP | CAM1 | 3V3O | RST | SWC | SWD | mPCIE | CM3L | Raspberry Pi | 1
User.Comments: CR_MPM3630GQV_1 | CR_UNNAMED2_3 | CR_UNNAMED3_1 | CR_UNNAMED_1
TOP: 20211305_V12
Ref Des/Assembly Top: ATTENZIONE | SALDATURA | PIN
Ref Des/Silkscreen Top: INT | EXT | ON3 | ON2 | 2 | 1 | ON1 | SPD | 3V3 | 5V | ACT | FDX | LNK | PAN | LAN | WAN | HOST | PRG | PWR | 6-30V | EXP | V1.1.2 | CAM0 | HDMI | CO-PROCESSOR | ETH | HAT | DISP\CAM1 | nSIM
XSECTION_CHART: *  SURFACE - AIR 0 MM | L1 TOP CONDUCTOR - COPPER 0.018 MM | *  DIELECTRIC - FR-4 0.13 MM | L2 GND CONDUCTOR - COPPER 0.018 MM | *  DIELECTRIC - FR-4 0.254 MM | L3 INT1 CONDUCTOR - COPPER 0.018 MM | *  DIELECTRIC - FR-4 0.165 MM | L4 INT2 CONDUCTOR - COPPER 0.018 MM | L5 INT3 CONDUCTOR - COPPER 0.018 MM | L6 INT4 CONDUCTOR - COPPER 0.018 MM | L7 POWER CONDUCTOR - COPPER 0.018 MM | L8 BOTTOM CONDUCTOR - COPPER 0.018 MM | DESIGN CROSS SECTION CHART | ___________________________ | TOTAL THICKNESS 1.496 MM | 1-8
DIMENSION: TOP SIDE VIEW
User.25: FIGURE | FINISHED SIZE | 0.254 | 0.6 | 0.9 | 0.92 | 1.0 | 1.02 | 1.1 | 1.2 | 1.3 | 1.6 | 2.3 | 1.8 | 2.2 | 2.7 | 3.25 | 3.3 | DRILL CHART: TOP to BOTTOM | ALL UNITS ARE IN MILLIMETERS | TYPE | PLATED | NON-PLATED | QTY | 1060 | 2 | 49 | 8 | 5 | 4 | 18 | 3 | 1 | 6
